# Altium PCB PCB_15122020_01BC.PcbDoc (part 1 of 9) (continued)
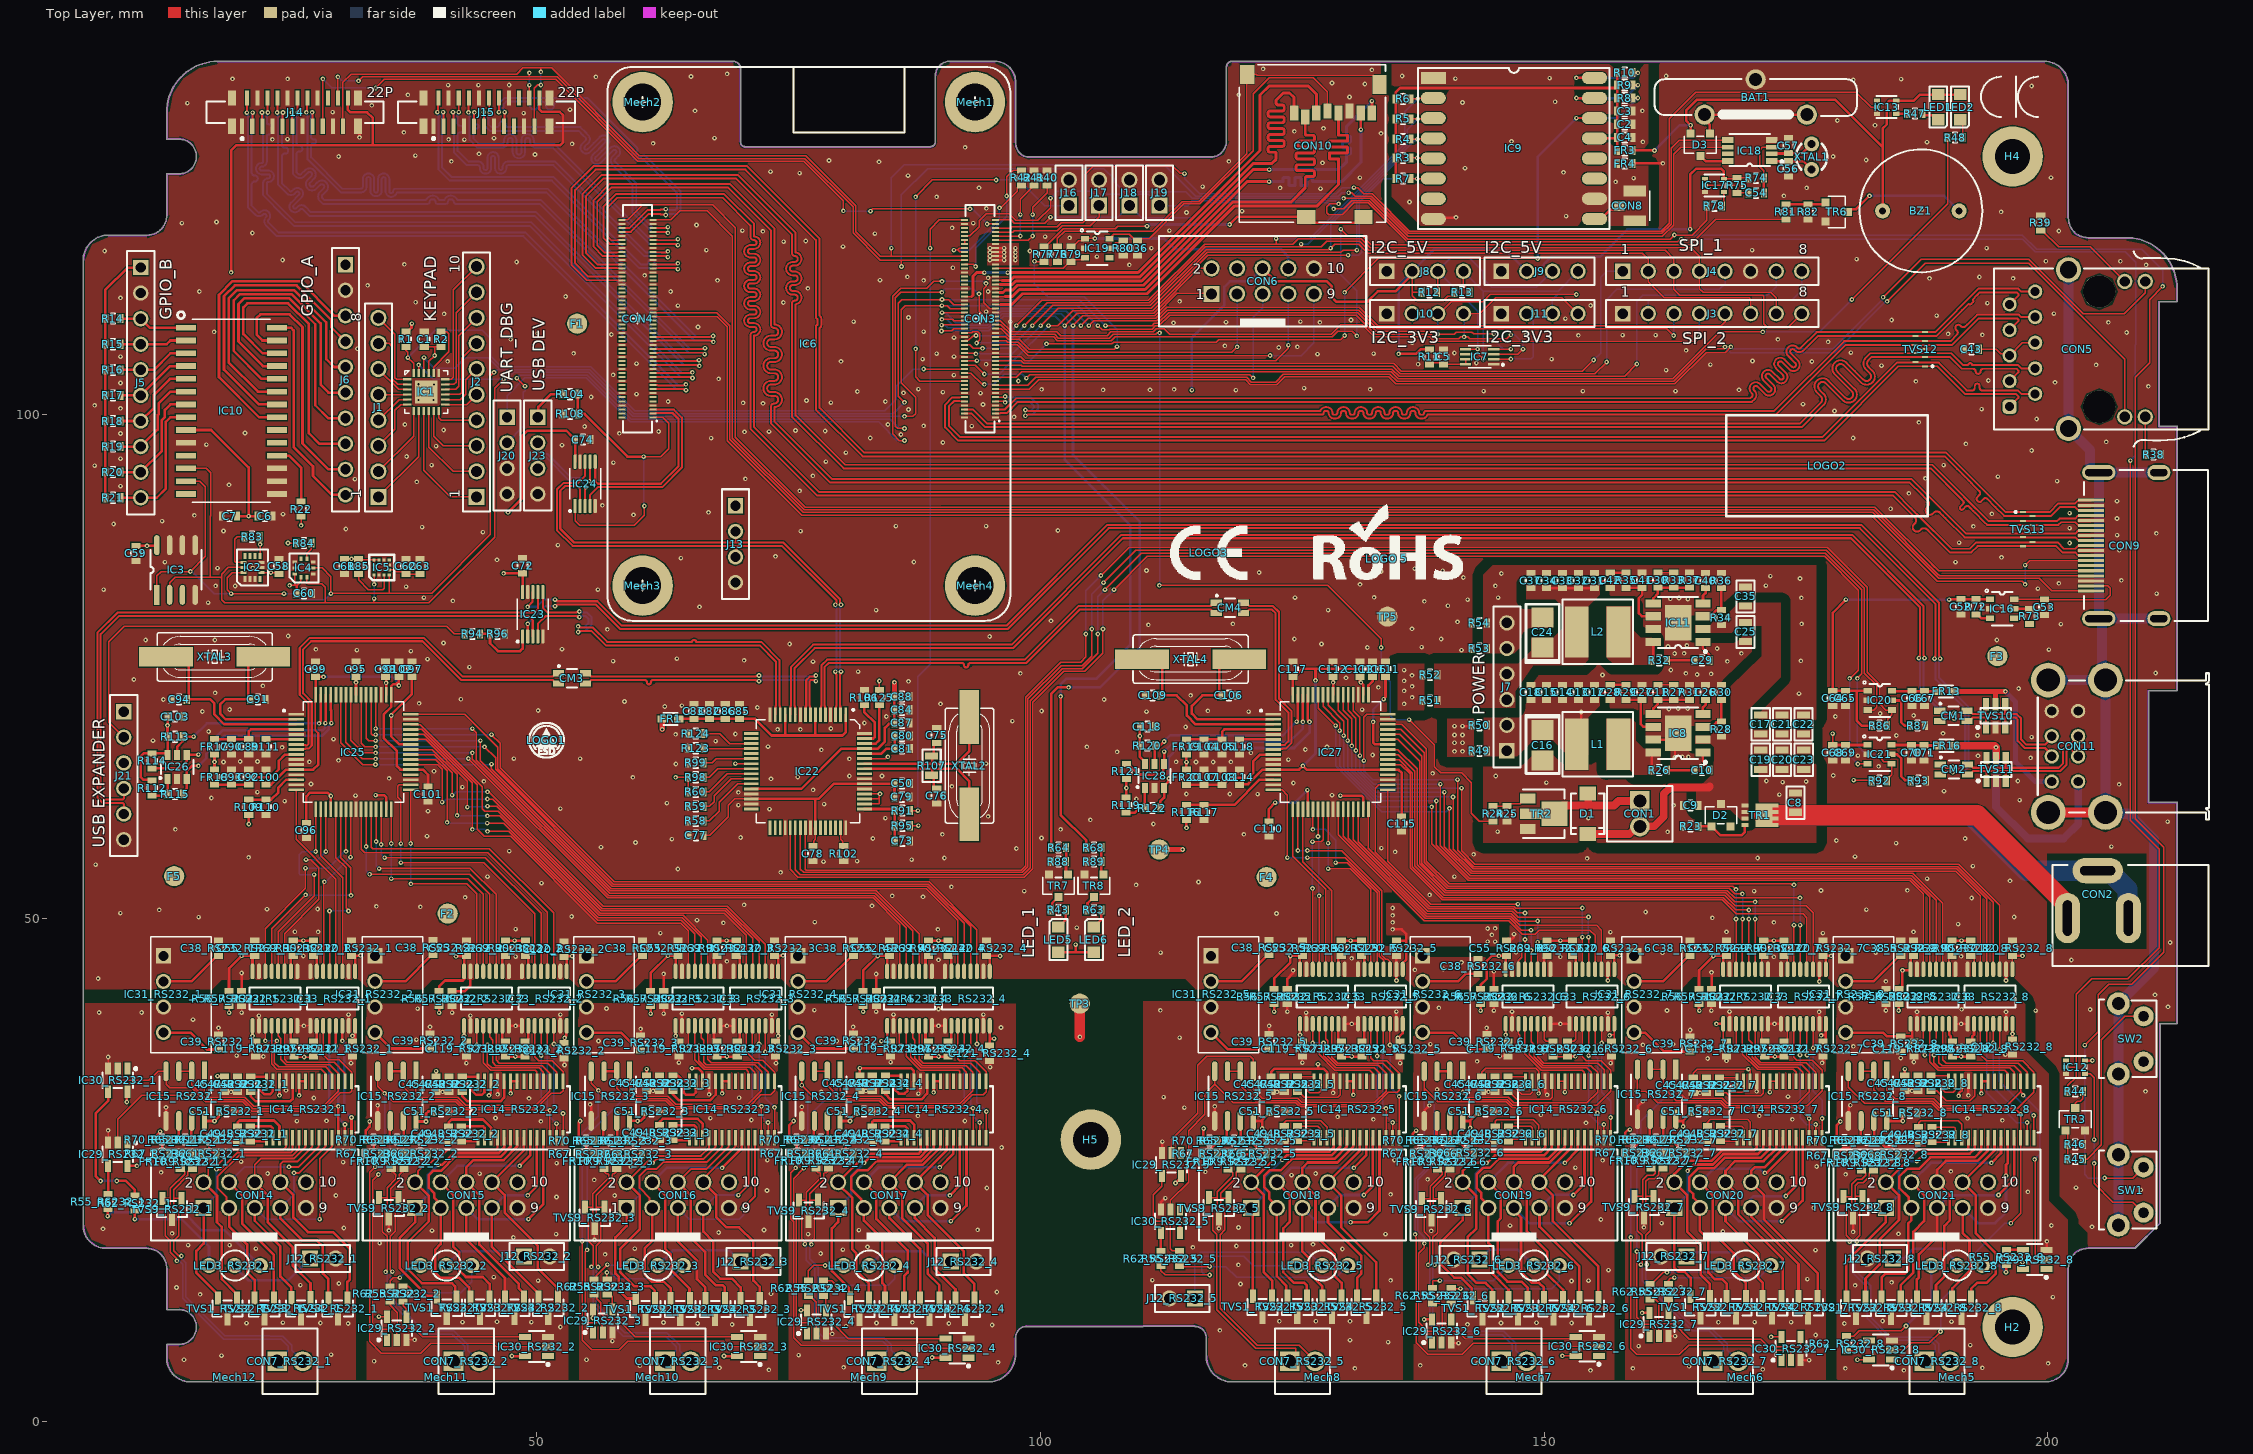
[diagram p0: Top Layer view]
## Classes and differential pairs
net class DSI_1: DSI1_C_N DSI1_C_P DSI1_D0_N DSI1_D0_P DSI1_D1_N DSI1_D1_P DSI1_D2_N DSI1_D2_P DSI1_D3_N DSI1_D3_P
net class CAM_1: CAM1_C_N CAM1_C_P CAM1_D0_N CAM1_D0_P CAM1_D1_N CAM1_D1_P CAM1_D2_N CAM1_D2_P CAM1_D3_N CAM1_D3_P
net class USB: USB_1_N USB_1_P USB_2_N USB_2_P USB_PORT4_OUT_N USB_PORT4_OUT_P
net class HDMI_0: HDMI0_CLK_N HDMI0_CLK_P HDMI0_TX0_N HDMI0_TX0_P HDMI0_TX1_N HDMI0_TX1_P HDMI0_TX2_N HDMI0_TX2_P
net class ETHERNET: Ethernet_Pair0_N Ethernet_Pair0_P Ethernet_Pair1_N Ethernet_Pair1_P Ethernet_Pair2_N Ethernet_Pair2_P Ethernet_Pair3_N Ethernet_Pair3_P
differential pair class 120R: RS485_RS232_1 RS485_RS232_2 RS485_RS232_3 RS485_RS232_4 RS485_RS232_5 RS485_RS232_6 RS485_RS232_7 RS485_RS232_8
differential pair class 100R: CAM0_C CAM0_D0 CAM0_D1 CAM1_C CAM1_D0 CAM1_D1 CAM1_D2 CAM1_D3 DSI0_C DSI0_D0 DSI0_D1 DSI1_C DSI1_D0 DSI1_D1 DSI1_D2 DSI1_D3 Ethernet_Pair0 Ethernet_Pair1 Ethernet_Pair2 Ethernet_Pair3 HDMI0_CLK HDMI0_TX0 HDMI0_TX1 HDMI0_TX2 HDMI1_CLK HDMI1_TX0 HDMI1_TX1 HDMI1_TX2
net class SD_CARD: SD_CLK SD_CMD SD_DAT0 SD_DAT1 SD_DAT2 SD_DAT3
differential pair class 90R: USB USB_1 USB_1_ USB_2 USB_2_ USB_BOOT USB_EX USB_HUB USB_PORT1 USB_PORT1_ USB_PORT2 USB_PORT2_ USB_PORT2_OUT USB_PORT3 USB_PORT3_ USB_PORT4 USB_PORT4_ USB_PORT4_OUT
channel class RS232: RS232_1 RS232_2 RS232_3 RS232_4 RS232_5 RS232_6 RS232_7 RS232_8
net class 50R: NetCON8_1
component class USB_TO_RS232: C89 C90 C91 C92 C93 C94 C95 C96 C97 C98 C99 C100 C101 C102 C103 C104 C105 C106 C107 C108 C109 C110 C111 C112 C113 C114 C115 C116 C117 C118 CM3 CM4 CON14 CON15 CON16 CON17 CON18 CON19 CON20 CON21 FR17 FR18 FR19 FR20 IC25 IC26 IC27 IC28 Mech5 Mech6 Mech7 Mech8 Mech9 Mech10 Mech11 Mech12 R109 R110 R111 R112 R113 R114 R115 R116 R117 R118 R119 R120 R121 R122 XTAL3 XTAL4
component class USB_HUB: C50 C64 C65 C66 C67 C68 C69 C70 C71 C72 C73 C74 C75 C76 C77 C78 C79 C80 C81 C82 C83 C84 C85 C86 C87 C88 CM1 CM2 CON11 FR1 FR13 FR16 IC20 IC21 IC22 IC23 IC24 J13 J21 J23 R58 R59 R60 R86 R87 R91 R92 R93 R94 R95 R96 R98 R99 R102 R104 R106 R107 R108 R123 R124 R125 TVS10 TVS11 XTAL2
component class SENSOR: C58 C59 C60 C61 C62 C63 IC2 IC3 IC4 IC5 R83 R84 R85
component class RTC_SD_HDMI: BAT1 BZ1 C36 C52 C53 C54 C56 C57 CON9 CON10 D3 IC16 IC17 IC18 IC19 R72 R73 R74 R75 R76 R77 R78 R79 R80 R81 R82 TR6 TVS13 XTAL1
component class RS232_8: C38_RS232_8 C39_RS232_8 C45_RS232_8 C46_RS232_8 C47_RS232_8 C48_RS232_8 C49_RS232_8 C51_RS232_8 C55_RS232_8 C119_RS232_8 C120_RS232_8 C121_RS232_8 CON7_RS232_8 FR9_RS232_8 FR10_RS232_8 IC14_RS232_8 IC15_RS232_8 IC29_RS232_8 IC30_RS232_8 IC31_RS232_8 IC32_RS232_8 IC33_RS232_8 J12_RS232_8 LED3_RS232_8 R55_RS232_8 R56_RS232_8 R57_RS232_8 R61_RS232_8 R62_RS232_8 R65_RS232_8 R66_RS232_8 R67_RS232_8 R69_RS232_8 R70_RS232_8 R71_RS232_8 R90_RS232_8 R97_RS232_8 TVS1_RS232_8 TVS2_RS232_8 TVS3_RS232_8 TVS4_RS232_8 TVS9_RS232_8
component class RS232_7: C38_RS232_7 C39_RS232_7 C45_RS232_7 C46_RS232_7 C47_RS232_7 C48_RS232_7 C49_RS232_7 C51_RS232_7 C55_RS232_7 C119_RS232_7 C120_RS232_7 C121_RS232_7 CON7_RS232_7 FR9_RS232_7 FR10_RS232_7 IC14_RS232_7 IC15_RS232_7 IC29_RS232_7 IC30_RS232_7 IC31_RS232_7 IC32_RS232_7 IC33_RS232_7 J12_RS232_7 LED3_RS232_7 R55_RS232_7 R56_RS232_7 R57_RS232_7 R61_RS232_7 R62_RS232_7 R65_RS232_7 R66_RS232_7 R67_RS232_7 R69_RS232_7 R70_RS232_7 R71_RS232_7 R90_RS232_7 R97_RS232_7 TVS1_RS232_7 TVS2_RS232_7 TVS3_RS232_7 TVS4_RS232_7 TVS9_RS232_7
component class RS232_6: C38_RS232_6 C39_RS232_6 C45_RS232_6 C46_RS232_6 C47_RS232_6 C48_RS232_6 C49_RS232_6 C51_RS232_6 C55_RS232_6 C119_RS232_6 C120_RS232_6 C121_RS232_6 CON7_RS232_6 FR9_RS232_6 FR10_RS232_6 IC14_RS232_6 IC15_RS232_6 IC29_RS232_6 IC30_RS232_6 IC31_RS232_6 IC32_RS232_6 IC33_RS232_6 J12_RS232_6 LED3_RS232_6 R55_RS232_6 R56_RS232_6 R57_RS232_6 R61_RS232_6 R62_RS232_6 R65_RS232_6 R66_RS232_6 R67_RS232_6 R69_RS232_6 R70_RS232_6 R71_RS232_6 R90_RS232_6 R97_RS232_6 TVS1_RS232_6 TVS2_RS232_6 TVS3_RS232_6 TVS4_RS232_6 TVS9_RS232_6
component class RS232_5: C38_RS232_5 C39_RS232_5 C45_RS232_5 C46_RS232_5 C47_RS232_5 C48_RS232_5 C49_RS232_5 C51_RS232_5 C55_RS232_5 C119_RS232_5 C120_RS232_5 C121_RS232_5 CON7_RS232_5 FR9_RS232_5 FR10_RS232_5 IC14_RS232_5 IC15_RS232_5 IC29_RS232_5 IC30_RS232_5 IC31_RS232_5 IC32_RS232_5 IC33_RS232_5 J12_RS232_5 LED3_RS232_5 R55_RS232_5 R56_RS232_5 R57_RS232_5 R61_RS232_5 R62_RS232_5 R65_RS232_5 R66_RS232_5 R67_RS232_5 R69_RS232_5 R70_RS232_5 R71_RS232_5 R90_RS232_5 R97_RS232_5 TVS1_RS232_5 TVS2_RS232_5 TVS3_RS232_5 TVS4_RS232_5 TVS9_RS232_5
component class RS232_4: C38_RS232_4 C39_RS232_4 C45_RS232_4 C46_RS232_4 C47_RS232_4 C48_RS232_4 C49_RS232_4 C51_RS232_4 C55_RS232_4 C119_RS232_4 C120_RS232_4 C121_RS232_4 CON7_RS232_4 FR9_RS232_4 FR10_RS232_4 IC14_RS232_4 IC15_RS232_4 IC29_RS232_4 IC30_RS232_4 IC31_RS232_4 IC32_RS232_4 IC33_RS232_4 J12_RS232_4 LED3_RS232_4 R55_RS232_4 R56_RS232_4 R57_RS232_4 R61_RS232_4 R62_RS232_4 R65_RS232_4 R66_RS232_4 R67_RS232_4 R69_RS232_4 R70_RS232_4 R71_RS232_4 R90_RS232_4 R97_RS232_4 TVS1_RS232_4 TVS2_RS232_4 TVS3_RS232_4 TVS4_RS232_4 TVS9_RS232_4
component class RS232_3: C38_RS232_3 C39_RS232_3 C45_RS232_3 C46_RS232_3 C47_RS232_3 C48_RS232_3 C49_RS232_3 C51_RS232_3 C55_RS232_3 C119_RS232_3 C120_RS232_3 C121_RS232_3 CON7_RS232_3 FR9_RS232_3 FR10_RS232_3 IC14_RS232_3 IC15_RS232_3 IC29_RS232_3 IC30_RS232_3 IC31_RS232_3 IC32_RS232_3 IC33_RS232_3 J12_RS232_3 LED3_RS232_3 R55_RS232_3 R56_RS232_3 R57_RS232_3 R61_RS232_3 R62_RS232_3 R65_RS232_3 R66_RS232_3 R67_RS232_3 R69_RS232_3 R70_RS232_3 R71_RS232_3 R90_RS232_3 R97_RS232_3 TVS1_RS232_3 TVS2_RS232_3 TVS3_RS232_3 TVS4_RS232_3 TVS9_RS232_3
component class RS232_2: C38_RS232_2 C39_RS232_2 C45_RS232_2 C46_RS232_2 C47_RS232_2 C48_RS232_2 C49_RS232_2 C51_RS232_2 C55_RS232_2 C119_RS232_2 C120_RS232_2 C121_RS232_2 CON7_RS232_2 FR9_RS232_2 FR10_RS232_2 IC14_RS232_2 IC15_RS232_2 IC29_RS232_2 IC30_RS232_2 IC31_RS232_2 IC32_RS232_2 IC33_RS232_2 J12_RS232_2 LED3_RS232_2 R55_RS232_2 R56_RS232_2 R57_RS232_2 R61_RS232_2 R62_RS232_2 R65_RS232_2 R66_RS232_2 R67_RS232_2 R69_RS232_2 R70_RS232_2 R71_RS232_2 R90_RS232_2 R97_RS232_2 TVS1_RS232_2 TVS2_RS232_2 TVS3_RS232_2 TVS4_RS232_2 TVS9_RS232_2
component class RS232_1: C38_RS232_1 C39_RS232_1 C45_RS232_1 C46_RS232_1 C47_RS232_1 C48_RS232_1 C49_RS232_1 C51_RS232_1 C55_RS232_1 C119_RS232_1 C120_RS232_1 C121_RS232_1 CON7_RS232_1 FR9_RS232_1 FR10_RS232_1 IC14_RS232_1 IC15_RS232_1 IC29_RS232_1 IC30_RS232_1 IC31_RS232_1 IC32_RS232_1 IC33_RS232_1 J12_RS232_1 LED3_RS232_1 R55_RS232_1 R56_RS232_1 R57_RS232_1 R61_RS232_1 R62_RS232_1 R65_RS232_1 R66_RS232_1 R67_RS232_1 R69_RS232_1 R70_RS232_1 R71_RS232_1 R90_RS232_1 R97_RS232_1 TVS1_RS232_1 TVS2_RS232_1 TVS3_RS232_1 TVS4_RS232_1 TVS9_RS232_1
component class POWER: C8 C9 C10 C11 C12 C13 C14 C15 C16 C17 C18 C19 C20 C21 C22 C23 C24 C25 C26 C27 C28 C29 C30 C31 C32 C33 C34 C35 C37 C40 C41 C42 CON1 CON2 D1 D2 IC8 IC11 J7 L1 L2 R23 R24 R25 R26 R27 R28 R29 R30 R31 R32 R33 R34 R35 R36 R37 R49 R50 R51 R52 R53 R54 TR1 TR2
component class "PORT EXPANDER": C5 C6 C7 IC7 IC10 J3 J4 J5 J6 J8 J9 J10 J11 R11 R12 R13 R14 R15 R16 R17 R18 R19 R20 R21 R22
component class Main: F1 F2 F3 F4 F5 H2 H4 H5 IC6 LOGO1 LOGO2 LOGO3 "LOGO 5" Mech1 Mech2 Mech3 Mech4
component class LO-RA: C2 C3 C4 CON8 FR3 FR4 IC9 R3 R4 R5 R6 R7 R8 R9 R10
component class KEYPAD: C1 IC1 J1 J2 R1 R2
component class CM4_CONNECTOR: C43 CON3 CON4 CON5 CON6 IC12 IC13 J14 J15 J16 J17 J18 J19 J20 LED1 LED2 LED5 LED6 R38 R39 R40 R41 R42 R43 R44 R45 R46 R47 R48 R63 R64 R68 R88 R89 SW1 SW2 TP3 TP4 TP5 TR3 TR7 TR8 TVS12
differential pair USB_2: +USB_2_P -USB_2_N
differential pair USB_PORT4: +USB_PORT4_P -USB_PORT4_N
differential pair USB_PORT4_: +USB_PORT4__P -USB_PORT4__N
differential pair USB_PORT4_OUT: +USB_PORT4_OUT_P -USB_PORT4_OUT_N
differential pair USB_PORT3: +USB_PORT3_P -USB_PORT3_N
differential pair USB_PORT3_: +USB_PORT3__P -USB_PORT3__N
differential pair USB_2_: +USB_2__P -USB_2__N
differential pair USB_1_: +USB_1__P -USB_1__N
differential pair RS485_RS232_8: +RS485_RS232_8_P -RS485_RS232_8_N
differential pair RS485_RS232_7: +RS485_RS232_7_P -RS485_RS232_7_N
differential pair RS485_RS232_6: +RS485_RS232_6_P -RS485_RS232_6_N
differential pair RS485_RS232_5: +RS485_RS232_5_P -RS485_RS232_5_N
differential pair RS485_RS232_4: +RS485_RS232_4_P -RS485_RS232_4_N
differential pair RS485_RS232_3: +RS485_RS232_3_P -RS485_RS232_3_N
differential pair RS485_RS232_2: +RS485_RS232_2_P -RS485_RS232_2_N
differential pair RS485_RS232_1: +RS485_RS232_1_P -RS485_RS232_1_N
differential pair USB_EX: +USB_EX_P -USB_EX_N
differential pair USB_BOOT: +USB_BOOT_P -USB_BOOT_N
differential pair HDMI0_TX2: +HDMI0_TX2_P -HDMI0_TX2_N
differential pair HDMI0_TX1: +HDMI0_TX1_P -HDMI0_TX1_N
differential pair HDMI0_TX0: +HDMI0_TX0_P -HDMI0_TX0_N
differential pair HDMI0_CLK: +HDMI0_CLK_P -HDMI0_CLK_N
differential pair Ethernet_Pair3: +Ethernet_Pair3_P -Ethernet_Pair3_N
differential pair Ethernet_Pair2: +Ethernet_Pair2_P -Ethernet_Pair2_N
differential pair Ethernet_Pair1: +Ethernet_Pair1_P -Ethernet_Pair1_N
differential pair Ethernet_Pair0: +Ethernet_Pair0_P -Ethernet_Pair0_N
differential pair DSI1_D3: +DSI1_D3_P -DSI1_D3_N
differential pair DSI1_D2: +DSI1_D2_P -DSI1_D2_N
differential pair DSI1_D1: +DSI1_D1_P -DSI1_D1_N
differential pair DSI1_D0: +DSI1_D0_P -DSI1_D0_N
differential pair DSI1_C: +DSI1_C_P -DSI1_C_N
differential pair CAM1_D3: +CAM1_D3_P -CAM1_D3_N
differential pair CAM1_D2: +CAM1_D2_P -CAM1_D2_N
differential pair CAM1_D1: +CAM1_D1_P -CAM1_D1_N
differential pair CAM1_D0: +CAM1_D0_P -CAM1_D0_N
differential pair CAM1_C: +CAM1_C_P -CAM1_C_N
differential pair USB: +USB_P -USB_N
differential pair USB_HUB: +USB_HUB_P -USB_HUB_N
differential pair USB_1: +USB_1_P -USB_1_N

## Components (designator, comment, footprint, x,y, rotation, side; value= is the part's Value field where it differs from the comment)
BAT1 "CR2032V" CR2032V 171,131.5 r90 top
BZ1 "TMB12A03" Buzzer12mmx9.5mm 187.4,120.2 r0 top
C1 "100nF" C0603 38.825,107.45 r90 top
C2 "10uF" C0603 158,128.8 r180 top
C3 "100nF" C0603 158,130.1 r180 top
C4 "100nF" C0603 158,127.5 r180 top
C5 "100nF" C0603 140,105.7 r90 top
C6 "10uF" C0603 23,89.9 r0 top
C7 "100nF" C0603 19.5,89.9 r180 top
C8 "100nF" C0805 174.95,61.45 r90 top
C9 "100nF" C0603 164.549,61.175 r180 top
C10 "100nF" C0603 165.675,64.675 r180 top
C11 "33pF" C0603 161.291,72.4 r270 top
C12 "10uF" C0603 154.982,72.4 r90 top
C13 "10uF" C0603 153.405,72.4 r90 top
C14 "10uF" C0603 151.827,72.4 r90 top
C15 "10uF" C0603 150.25,72.4 r90 top
C16 "100uF" CT3528 149.85,67.15 r270 top
C17 "10uF" C0805 171.5,69.225 r270 top
C18 "100nF" C0603 148.673,72.4 r90 top
C19 "10uF" C0805 171.5,65.714 r90 top
C20 "10uF" C0805 173.625,65.714 r90 top
C21 "10uF" C0805 173.6,69.225 r270 top
C22 "10uF" C0805 175.75,69.225 r270 top
C23 "10uF" C0805 175.775,65.714 r90 top
C24 "100uF" CT3528 149.85,78.35 r90 top
C25 "10uF" C0805 170,78.4 r90 top
C26 "100nF" C0603 166.023,72.4 r90 top
C27 "33pF" C0603 159.714,72.4 r90 top
C28 "1.2nF" C0603 156.559,72.4 r270 top
C29 "100nF" C0603 165.675,75.577 r180 top
C30 "33pF" C0603 161.291,83.55 r270 top
C31 "10uF" C0603 154.982,83.502 r90 top
C32 "10uF" C0603 153.405,83.502 r90 top
C33 "10uF" C0603 151.827,83.502 r90 top
C34 "10uF" C0603 150.25,83.502 r90 top
C35 "10uF" C0805 170,81.925 r270 top
C36 "10uF" C0603 109.613,116.5 r270 top
C37 "100nF" C0603 148.673,83.502 r90 top
C38_RS232_1 "10uF" C0603 18.4,47 r90 top (schematic designator C38)
C38_RS232_2 "10uF" C0603 39.7,47.062 r90 top (schematic designator C38)
C38_RS232_3 "10uF" C0603 60.5,47 r90 top (schematic designator C38)
C38_RS232_4 "10uF" C0603 81.417,47 r90 top (schematic designator C38)
C38_RS232_5 "10uF" C0603 122.7,47.062 r90 top (schematic designator C38)
C38_RS232_6 "10uF" C0603 143.418,45.2 r90 top (schematic designator C38)
C38_RS232_7 "10uF" C0603 164.5,47 r90 top (schematic designator C38)
C38_RS232_8 "10uF" C0603 185.4,47 r90 top (schematic designator C38)
C39_RS232_1 "10uF" C0603 18.4,37.7 r90 top (schematic designator C39)
C39_RS232_2 "10uF" C0603 39.4,37.8 r90 top (schematic designator C39)
C39_RS232_3 "10uF" C0603 60.3,37.6 r90 top (schematic designator C39)
C39_RS232_4 "10uF" C0603 81.429,37.8 r90 top (schematic designator C39)
C39_RS232_5 "10uF" C0603 122.7,37.738 r90 top (schematic designator C39)
C39_RS232_6 "10uF" C0603 144.325,37.738 r90 top (schematic designator C39)
C39_RS232_7 "10uF" C0603 164.5,37.5 r90 top (schematic designator C39)
C39_RS232_8 "10uF" C0603 185.4,37.5 r270 top (schematic designator C39)
C40 "100nF" C0603 166.023,83.5 r90 top
C41 "33pF" C0603 159.714,83.525 r90 top
C42 "1.2nF" C0603 156.559,83.525 r270 top
C43 "100nF" C0603 192.411,106.462 r180 top
C45_RS232_1 "100nF" C0603 19,33.5 r270 top (schematic designator C45)
C45_RS232_2 "100nF" C0603 40,33.5 r270 top (schematic designator C45)
C45_RS232_3 "100nF" C0603 60.9,33.6 r270 top (schematic designator C45)
C45_RS232_4 "100nF" C0603 82.066,33.6 r270 top (schematic designator C45)
C45_RS232_5 "100nF" C0603 122.9,33.5 r270 top (schematic designator C45)
C45_RS232_6 "100nF" C0603 143.8,33.5 r270 top (schematic designator C45)
C45_RS232_7 "100nF" C0603 164.8,33.4 r270 top (schematic designator C45)
C45_RS232_8 "100nF" C0603 185.8,33.6 r270 top (schematic designator C45)
C46_RS232_1 "100nF" C0603 21.6,33.5 r270 top (schematic designator C46)
C46_RS232_2 "100nF" C0603 42.6,33.5 r270 top (schematic designator C46)
C46_RS232_3 "100nF" C0603 63.5,33.6 r270 top (schematic designator C46)
C46_RS232_4 "100nF" C0603 84.6,33.6 r270 top (schematic designator C46)
C46_RS232_5 "100nF" C0603 125.5,33.5 r270 top (schematic designator C46)
C46_RS232_6 "100nF" C0603 146.4,33.5 r270 top (schematic designator C46)
C46_RS232_7 "100nF" C0603 167.4,33.4 r270 top (schematic designator C46)
C46_RS232_8 "100nF" C0603 188.4,33.6 r270 top (schematic designator C46)
C47_RS232_1 "100nF" C0603 20.3,33.5 r270 top (schematic designator C47)
C47_RS232_2 "100nF" C0603 41.3,33.5 r270 top (schematic designator C47)
C47_RS232_3 "100nF" C0603 62.2,33.6 r270 top (schematic designator C47)
C47_RS232_4 "100nF" C0603 83.3,33.6 r270 top (schematic designator C47)
C47_RS232_5 "100nF" C0603 124.2,33.5 r270 top (schematic designator C47)
C47_RS232_6 "100nF" C0603 145.1,33.5 r270 top (schematic designator C47)
C47_RS232_7 "100nF" C0603 166.1,33.4 r270 top (schematic designator C47)
C47_RS232_8 "100nF" C0603 187.1,33.6 r270 top (schematic designator C47)
C48_RS232_1 "100nF" C0603 21.55,28.575 r90 top (schematic designator C48)
C48_RS232_2 "100nF" C0603 42.5,28.575 r90 top (schematic designator C48)
C48_RS232_3 "100nF" C0603 63.5,28.7 r90 top (schematic designator C48)
C48_RS232_4 "100nF" C0603 84.575,28.575 r90 top (schematic designator C48)
C48_RS232_5 "100nF" C0603 125.5,28.6 r90 top (schematic designator C48)
C48_RS232_6 "100nF" C0603 146.44,28.575 r90 top (schematic designator C48)
C48_RS232_7 "100nF" C0603 167.5,28.6 r90 top (schematic designator C48)
C48_RS232_8 "100nF" C0603 188.5,28.5 r90 top (schematic designator C48)
C49_RS232_1 "100nF" C0603 20.3,28.575 r270 top (schematic designator C49)
C49_RS232_2 "100nF" C0603 41.25,28.575 r270 top (schematic designator C49)
C49_RS232_3 "100nF" C0603 62.2,28.7 r270 top (schematic designator C49)
C49_RS232_4 "100nF" C0603 83.3,28.575 r270 top (schematic designator C49)
C49_RS232_5 "100nF" C0603 124.2,28.6 r270 top (schematic designator C49)
C49_RS232_6 "100nF" C0603 145.143,28.575 r270 top (schematic designator C49)
C49_RS232_7 "100nF" C0603 166.2,28.6 r270 top (schematic designator C49)
C49_RS232_8 "100nF" C0603 187.15,28.5 r270 top (schematic designator C49)
C50 "100nF" C0603 86.271,63.375 r0 top
C51_RS232_1 "100nF" C0603 19.2,30.8 r180 top (schematic designator C51)
C51_RS232_2 "100nF" C0603 40.5,30.8 r180 top (schematic designator C51)
C51_RS232_3 "100nF" C0603 61.4,30.8 r180 top (schematic designator C51)
C51_RS232_4 "100nF" C0603 82.5,30.8 r180 top (schematic designator C51)
C51_RS232_5 "100nF" C0603 123.46,30.8 r180 top (schematic designator C51)
C51_RS232_6 "100nF" C0603 144.195,30.8 r180 top (schematic designator C51)
C51_RS232_7 "100nF" C0603 165.325,30.8 r180 top (schematic designator C51)
C51_RS232_8 "100nF" C0603 186.3,30.65 r180 top (schematic designator C51)
C52 "100nF" C0603 191.365,80.9 r270 top
C53 "100nF" C0603 199.65,80.85 r270 top
C54 "100nF" C0603 171.053,121.975 r180 top
C55_RS232_1 "100nF" C0603 22,47 r270 top (schematic designator C55)
C55_RS232_2 "100nF" C0603 43,47 r270 top (schematic designator C55)
C55_RS232_3 "100nF" C0603 64,47 r270 top (schematic designator C55)
C55_RS232_4 "100nF" C0603 85,47 r270 top (schematic designator C55)
C55_RS232_5 "100nF" C0603 126,47 r270 top (schematic designator C55)
C55_RS232_6 "100nF" C0603 146.273,47 r270 top (schematic designator C55)
C55_RS232_7 "100nF" C0603 168.1,47 r270 top (schematic designator C55)
C55_RS232_8 "100nF" C0603 186.678,47 r270 top (schematic designator C55)
C56 "12pF" C0603 174.25,124.375 r270 top
C57 "12pF" C0603 174.25,126.675 r90 top
C58 "100nF" C0603 24.4,84.9 r90 top
C59 "100nF" C0603 10.2,86.2 r270 top
C60 "100nF" C0603 26.906,82.225 r0 top
C61 "100nF" C0603 30.9,84.9 r270 top
C62 "100nF" C0603 37,84.9 r270 top
C63 "100nF" C0603 38.4,84.9 r270 top
C64 "4.7uF" C0603 178.649,71.803 r270 top
C65 "100nF" C0603 179.899,71.803 r270 top
C66 "100nF" C0603 186.523,71.803 r270 top
C67 "10uF" C0603 187.773,71.803 r270 top
C68 "4.7uF" C0603 178.649,66.402 r270 top
C69 "100nF" C0603 179.899,66.402 r270 top
C70 "100nF" C0603 186.474,66.402 r270 top
C71 "10uF" C0603 187.724,66.402 r270 top
C72 "100nF" C0603 48.6,84.975 r90 top
C73 "100nF" C0603 86.281,57.662 r0 top
C74 "100nF" C0603 54.563,97.5 r0 top
C75 "18pF" C0603 89.7,68.125 r270 top
C76 "18pF" C0603 89.7,62.125 r90 top
C77 "100nF" C0603 65.8,58.2 r180 top
C78 "100nF" C0603 77.4,56.4 r270 top
C79 "10uF" C0603 86.25,62.018 r0 top
C80 "10uF" C0603 86.271,68.085 r0 top
C81 "100nF" C0603 86.271,66.821 r0 top
C82 "10uF" C0603 67.148,70.517 r90 top
C83 "100nF" C0603 65.587,70.517 r90 top
C84 "10uF" C0603 86.25,70.675 r0 top
C85 "100nF" C0603 70.108,70.517 r90 top
C86 "100nF" C0603 68.708,70.517 r90 top
C87 "100nF" C0603 86.25,69.363 r0 top
C88 "100nF" C0603 86.25,71.975 r0 top
C89 "10uF" C0603 21.4,67 r270 top
C90 "100nF" C0603 19.7,67 r270 top
C91 "18pF" C0603 22.3,71.7 r180 top
C92 "10uF" C0603 21.4,64 r270 top
C93 "100nF" C0603 19.7,64 r270 top
C94 "18pF" C0603 14.5,71.7 r0 top
C95 "100nF" C0603 32.05,74.7 r90 top
C96 "100nF" C0603 27.123,58.7 r270 top
C97 "100nF" C0603 37.6,74.7 r90 top
C98 "100nF" C0603 35,74.7 r90 top
C99 "100nF" C0603 28.05,74.7 r90 top
C100 "100nF" C0603 23.1,64 r90 top
C101 "100nF" C0603 39.2,62.3 r270 top
C102 "100nF" C0603 36.3,74.7 r90 top
C103 "100nF" C0603 14.1,70 r180 top
C104 "10uF" C0603 116.245,66.981 r270 top
C105 "100nF" C0603 118.01,66.981 r270 top
C106 "18pF" C0603 118.7,72.1 r180 top
C107 "10uF" C0603 116.245,63.983 r270 top
C108 "100nF" C0603 118.01,63.983 r270 top
C109 "18pF" C0603 111.125,72.1 r0 top
C110 "100nF" C0603 122.67,58.85 r270 top
C111 "100nF" C0603 134.25,74.7 r90 top
C112 "100nF" C0603 129.05,74.7 r90 top
C113 "100nF" C0603 131.7,74.7 r90 top
C114 "100nF" C0603 119.775,63.983 r90 top
C115 "100nF" C0603 135.85,59.35 r270 top
C116 "100nF" C0603 132.975,74.7 r90 top
C117 "100nF" C0603 125.05,74.7 r90 top
C118 "100nF" C0603 110.61,68.997 r180 top
C119_RS232_1 "100nF" C0603 22.1,37 r270 top (schematic designator C119)
C119_RS232_2 "100nF" C0603 43,37 r270 top (schematic designator C119)
C119_RS232_3 "100nF" C0603 64.1,37 r270 top (schematic designator C119)
C119_RS232_4 "100nF" C0603 85.1,37 r270 top (schematic designator C119)
C119_RS232_5 "100nF" C0603 126,37 r270 top (schematic designator C119)
C119_RS232_6 "100nF" C0603 146.4,37 r270 top (schematic designator C119)
C119_RS232_7 "100nF" C0603 168.1,37 r270 top (schematic designator C119)
C119_RS232_8 "100nF" C0603 186.7,37 r270 top (schematic designator C119)
C120_RS232_1 "100nF" C0603 31.605,47 r270 top (schematic designator C120)
C120_RS232_2 "100nF" C0603 52.7,46.9 r270 top (schematic designator C120)
C120_RS232_3 "100nF" C0603 73.6,47 r270 top (schematic designator C120)
C120_RS232_4 "100nF" C0603 94.625,47 r270 top (schematic designator C120)
C120_RS232_5 "100nF" C0603 135.327,46.999 r90 top (schematic designator C120)